# Altium PCB KK_Triangle_cubic.PcbDoc (continued)
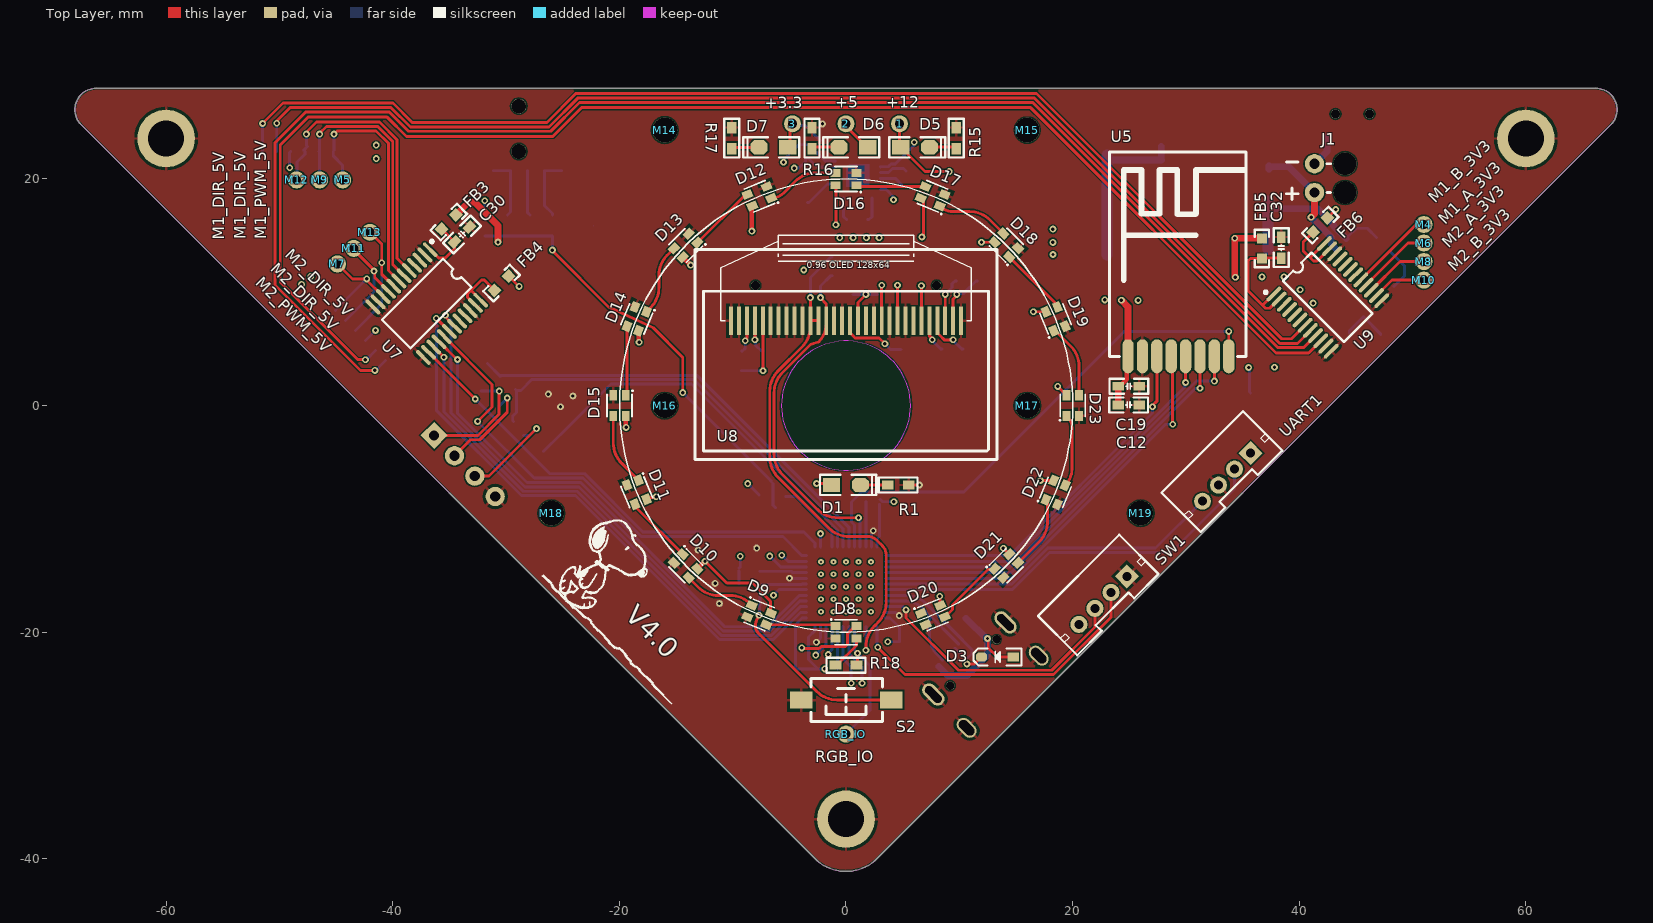
[diagram p0: Top Layer view]
## Footprints (in the part's own frame and the unit in brackets; to place one, negate y for a bottom-side part, rotate by r counter-clockwise, add the part's x,y. Pads: shape width x height; smd on the part's side, far side on the other; paste and mask are expansions set on the pad) (continued)
JST_COM [mm] "JST_COM"
  round 1.7 hole 0.9: 1(-0.381,17.932) 2(-0.381,20.472)
  round 2 hole 2: ""(2.311,17.932) ""(2.311,20.472)
  silkscreen extent -2.87,17.32 1.04,20.62
"L 0603" [mil] "小功率贴片电感        淘宝ID:黄晶宝石"
  rect 35x35 smd: 1(-35,0) 2(35,0)
  silkscreen extent -65,-25 65,25, body extent -31,-16 31,16, height 31
"LED 0805G" [mil] "绿色0805LED                              淘宝ID:黄晶宝石"
  rect 60x50 smd: 1(-50,0)
  oct 60x50 smd: 2(50,0)
  silkscreen extent -90,-35 105,35, body extent -39,-25 39,25, height 32
M3x40+6_L [mm] "M3铜柱，长：40mm，螺纹长：6mm"
  round 5.08 hole 3.175: 1(0,0)
  silkscreen extent -4,-4 4,4, body extent -2.7,-2.35 2.7,2.35, height 40.05
MSK-12C01-07 [mm] "6.7*2.8*1.5mm(长宽高）      淘宝ID:黄晶宝石"
  rect 1.4x0.8 smd: 0(-3.65,-1.25) 0(-3.65,1.25) 0(3.65,-1.25) 0(3.65,1.25)
  rect 0.6x1.5 smd: 1(-2.25,1.996) 2(0.75,1.996) 3(2.25,1.996)
  round 0.8 hole 0.8: ""(-1.5,0) ""(1.5,0)
  silkscreen extent -3.35,-2.92 3.35,1.4, body extent -3.92,-2.9 3.92,2.4, height 1.5
"MX 1.25-LS-8P" [mm] "长：14.75m，宽：3.7mm，高：4.7mm"
  rect 2.1x2.5 smd: 0(-7.132,-0.381) 0(7.104,-0.381)
  rect 0.8x1.3 smd: 1(-4.389,2.261) 2(-3.139,2.261) 3(-1.889,2.261) 4(-0.639,2.261) 5(0.611,2.261) 6(1.861,2.261) 7(3.111,2.261) 8(4.361,2.261)
  silkscreen extent -7.79,-1.78 7.77,2.99, body extent -7.58,-1.6 7.58,2.5, height 4.7
NRF24L01_MIN [mm] "NRF24L01_MIN"
  oval 1x3 smd: 1(0,0) 2(1.27,0) 3(2.54,0) 4(3.81,0) 5(5.08,0) 6(6.35,0) 7(7.62,0) 8(8.89,0)
  silkscreen extent -1.65,0 10.41,18.03
PH2.0-L-Z-4P [mm] "PH2.0 4P立式直插 间距2mm        淘宝ID:黄晶宝石"
  rect 1.5x1.5 hole 0.8: 1(0,0)
  round 1.5 hole 0.8: 2(2,0) 3(4,0) 4(6,0)
  silkscreen extent -2.13,-3.08 8.03,1.82, body extent -1.98,-3 7.92,1.7, height 6
"QFN24 4x4_M" [mm] "24脚，长x宽x高：4x4x1mm，脚距：0.5mm"
  rect 0.3x1 smd: 1(-1.25,-2)
  oval 0.3x1 smd: 2(-0.75,-2) 3(-0.25,-2) 4(0.25,-2) 5(0.75,-2) 6(1.25,-2) 13(1.25,2) 14(0.75,2) 15(0.25,2) 16(-0.25,2) 17(-0.75,2) 18(-1.25,2)
  oval 1x0.3 smd: 7(2,-1.25) 8(2,-0.75) 9(2,-0.25) 10(2,0.25) 11(2,0.75) 12(2,1.25) 19(-2,1.25) 20(-2,0.75) 21(-2,0.25) 22(-2,-0.25) 23(-2,-0.75) 24(-2,-1.25)
  rect 1x1 smd: 25(0,0)
  Top Layer region: -1,1 1,1 1,-1 -0.75,-1 -1,-0.75
  silkscreen extent -2.11,-2.6 2.11,2.11, body extent -2.01,-2.01 2.01,2.01, height 0.95
"R 0603_M" [mil] "1/10W贴片电阻                             淘宝ID:黄晶宝石"
  rect 40x31.5 smd: 1(-36.5,0) 2(36.5,0)
  silkscreen extent -68,-26 68,26, body extent -31,-16 31,16, height 16
SOD-323 [mm] "1.8x1.3X0.9mm（长宽高，不包括引脚）"
  rect 1x0.8 smd: A(-1.4,0)
  oct 1x0.8 smd: K(1.4,0)
  silkscreen extent -2.11,-0.76 2.11,0.76, body extent -1.34,-0.63 1.31,0.67, height 1
SOT223_M [mm] "SOT223, 4-Leads, Body 6.5x3.5mm, Pitch 2.3mm, Lead Span 7mm, IPC Low Density"
  rect 2.7x1 smd: 1(-2.95,2.3) 2(-2.95,0) 3(-2.95,-2.3)
  rect 2.7x3.3 smd: 4(2.95,0)
  silkscreen extent -3.07,-3.35 1.3,3.47, body extent -1.85,-3.35 1.85,3.35, height 1.7
STM-UFQFPN48_M [mm] "QFN, 48-Leads, Body 7.1x7.1mm, Pitch 0.5mm, Thermal Pad 5.6x5.6mm, IPC Low Density"
  oval 1x0.25 smd: 1(-3.5,2.75) 2(-3.5,2.25) 3(-3.5,1.75) 4(-3.5,1.25) 5(-3.5,0.75) 6(-3.5,0.25) 7(-3.5,-0.25) 8(-3.5,-0.75) 9(-3.5,-1.25) 10(-3.5,-1.75) 11(-3.5,-2.25) 12(-3.5,-2.75) 25(3.5,-2.75) 26(3.5,-2.25) 27(3.5,-1.75) 28(3.5,-1.25) 29(3.5,-0.75) 30(3.5,-0.25) 31(3.5,0.25) 32(3.5,0.75) 33(3.5,1.25) 34(3.5,1.75) 35(3.5,2.25) 36(3.5,2.75)
  oval 0.25x1 smd: 13(-2.75,-3.5) 14(-2.25,-3.5) 15(-1.75,-3.5) 16(-1.25,-3.5) 17(-0.75,-3.5) 18(-0.25,-3.5) 19(0.25,-3.5) 20(0.75,-3.5) 21(1.25,-3.5) 22(1.75,-3.5) 23(2.25,-3.5) 24(2.75,-3.5) 37(2.75,3.5) 38(2.25,3.5) 39(1.75,3.5) 40(1.25,3.5) 41(0.75,3.5) 42(0.25,3.5) 43(-0.25,3.5) 44(-0.75,3.5) 45(-1.25,3.5) 46(-1.75,3.5) 47(-2.25,3.5) 48(-2.75,3.5)
  rect 5.6x5.6 smd: 49(0,0)
  silkscreen extent -4.47,-3.7 3.7,3.7, body extent -3.55,-3.55 3.55,3.55, height 0.6
TEST_POINT#1 [mm] "TEST_POINT"
  round 1.5 hole 0.8: 1(0,0)
TEST_POINT#2 [mm] "TEST_POINT"
  round 1.5 hole 0.8: 1(0,0.178)
TEST_POINT#3 [mm] "TEST_POINT"
  round 1.5 hole 0.8: 1(0,0.356)
TEST_POINT#4 [mm] "TEST_POINT"
  round 1.5 hole 0.8: 1(-0.591,-0.127)
TM-1011A [mm] "TM-1011A"
  rect 1.3x0.8 smd: a1(-5.45,2.238) a2(5.45,2.238)
  rect 1x1.6 smd: b(3.75,-2.853) c(2.25,-2.853) d(0.75,-2.853) e(-0.75,-2.853) f(-2.25,-2.853) g(-3.75,-2.853) s1(-5.75,-1.597) s2(5.75,-1.597)
  round 1.3 hole 1.3 unplated: ""(0,-1.147) ""(0,2.853)
  silkscreen extent -5.9,-3 5.9,8.27
TPS5430DDAR [mm] "TPS5430DDAR"
  oval 0.6x1.798 smd: 1(0,0) 2(1.27,0) 3(2.54,0) 4(3.81,0) 5(3.81,5.944) 6(2.54,5.944) 7(1.27,5.944) 8(0,5.944)
  rect 3.45x2.56 smd: 9(1.905,2.972)
  silkscreen extent -1.25,0.26 4.4,4.71, body extent -0.6,-0.05 4.4,5.96, height 1.9
TSSOP24_M [mm] "7.8*6.4*1mm（长宽高） 封装库来自淘宝卖家 ID：黄晶宝石"
  oval 1.7x0.35 smd: 1(-3.15,3.575) 2(-3.15,2.925) 3(-3.15,2.275) 4(-3.15,1.625) 5(-3.15,0.975) 6(-3.15,0.325) 7(-3.15,-0.325) 8(-3.15,-0.975) 9(-3.15,-1.625) 10(-3.15,-2.275) 11(-3.15,-2.925) 12(-3.15,-3.575) 13(3.15,-3.575) 14(3.15,-2.925) 15(3.15,-2.275) 16(3.15,-1.625) 17(3.15,-0.975) 18(3.15,-0.325) 19(3.15,0.325) 20(3.15,0.975) 21(3.15,1.625) 22(3.15,2.275) 23(3.15,2.925) 24(3.15,3.575)
  silkscreen extent -3.69,-3.81 1.78,4.32, body extent -3.2,-3.9 3.2,3.9, height 1.03
"TSW SMD-3*6*2.5" [mm] "3*6*2.5mm"
  rect 2x1.5 smd: 1(-3.996,-0.02) 2(3.937,0)
  silkscreen extent -3.21,-1.9 3.09,1.9, body extent -4,-1.88 4,1.62, height 2.59
USB-C-SMD_TYPE-C-USB-5 [mm]
  oval 1.2x2 hole 0.8 slot 1.6 at 90 deg: 0(-4.5,-2.85) 0(4.5,-2.85)
  oval 1.2x2.3 hole 0.7 slot 1.8 at 90 deg: 0(-4.5,1.3) 0(4.5,1.3)
  rect 0.3x2.286 smd: A1(-3.322,2.85) A4(-2.522,2.85) A5(-1.222,2.85) A6(-0.222,2.85) A7(0.278,2.85) A8(-1.722,2.85) A9(2.578,2.85) A12(3.378,2.85) B1(3.078,2.85) B4(2.278,2.85) B5(1.778,2.85) B6(0.778,2.85) B7(-0.722,2.85) B8(1.278,2.85) B9(-2.222,2.85) B12(-3.022,2.85)
  round 0.75 hole 0.75 unplated: ""(-2.878,0.793) ""(2.902,0.793)
  silkscreen extent -4.38,-5.45 4.56,2.43, body extent -4.39,-5.49 4.55,2.41, height 3.25
WS2812B-2020 [mm] "WS2812B-2020"
  rect 0.9x0.7 smd: 1(-0.915,0.55) 2(-0.915,-0.55) 3(0.915,-0.55) 4(0.915,0.55)
  silkscreen extent -1.3,-1.1 1,1.15
XH2.54-LI-4P [mm] "接插件，4P  淘宝ID:黄晶宝石   店铺网址:https://shop463601444.taobao.com"
  rect 1.7x1.7 hole 0.9: 1(-3.81,0)
  round 1.7 hole 0.9: 2(-1.27,0) 3(1.27,0) 4(3.81,0)
  silkscreen extent -6.3,-3.45 6.07,2.49, body extent -6.31,-3.3 6.31,2.4, height 7.03

## Part data
1 2 3 M4 M5 M6 M7 M8 M9 M10 M11 M12 M13 RGB_IO: library part TEST_POINT
C2 C3 C4 C5 C6 C7 C8 C9 C10 C11 C12 C13 C14 C15 C16 C17 C19 C20 C21 C22 C23 C24 C25 C30 C31 C32 C33 C34 C35 C36 C37 C38: "Capacitor", Publisher="Altium Limited"
  C2 C3 C4 C5 C6 C7 C8 C10 C11 C12 C13 C14 C15 C16 C17 C19 C20 C21 C22 C23 C24 C25 C30 C31 C32 C33 C34 C35 C36 C37 C38: LatestRevisionDate=17-Jul-2002, LatestRevisionNote="Re-released for DXP Platform.", PackageDescription="Radial Cap, Thru-Hole; 2 Leads; 0.3 in Pin Spacing", PackageReference=RAD-0.3, Published=8-Jun-2000
  C9: PackageDescription="Capacitor; 2 Leads", PackageReference=CAPR5-4X5, Published=23-Sep-2002
D1 D5 D6 D7: "Typical RED GaAs LED", LatestRevisionDate=08-Jul-2005, LatestRevisionNote="Mech Layer 1 removed.", PackageDescription="LED; 2 Leads", PackageReference=LED-1, Published=8-Jun-2000, Publisher="Altium Limited"
D2 D3 D4: "1 Amp Fast Recovery Rectifier", Code_JEDEC=DO-204-AL, ComponentLink1Description="Manufacturer Link", ComponentLink1URL=http://www.fairchildsemi.com/, ComponentLink2Description=Datasheet, ComponentLink2URL=http://www.fairchildsemi.com/ds/1N%2F1N4934.pdf, DatasheetVersion=1999, LatestRevisionDate=17-Jul-2002, LatestRevisionNote="Re-released for DXP Platform.", PackageDescription="Diode, Axial; Body 5.2 x 2.7 mm (LxDia. max), Lead Dia. 0.86 mm (max)", PackageReference=DO-41, PackageVersion=Aug-1999, Published=8-Jun-2000, Publisher="Altium Limited"
D8 D9 D10 D11 D12 D13 D14 D15 D16 D17 D18 D19 D20 D21 D22 D23: library part WS2812B_2020
R1 R2 R3 R4 R5 R6 R7 R8 R9 R10 R11 R12 R13 R14 R15 R16 R17 R18 R19 R20 R21 R22 R23 R24 R25 R26 R27 R28: "Resistor", LatestRevisionDate=17-Jul-2002, LatestRevisionNote="Re-released for DXP Platform.", PackageDescription="Axial Device, Thru-Hole; 2 Leads; 0.4 in Pin Spacing", PackageReference=AXIAL-0.4, Published=8-Jun-2000, Publisher="Altium Limited"
S2: "Single-Pole, Single-Throw Switch", LatestRevisionDate=17-Jul-2002, LatestRevisionNote="Re-released for DXP Platform.", PackageDescription="Switch; 2 Leads", PackageReference=SPST-2, Published=24-Mar-1999, Publisher="Altium Limited"
L1: Code_IEC=1005, Code_JEITA=0402, LatestRevisionDate=29-May-2009, LatestRevisionNote="IPC-7351 Footprint Added.", PackageDescription="Chip Inductor", PackageReference=0402-A, Published=8-Jun-2000, Publisher="Altium Limited"

## Via types
v1: diameter 0.6, hole 0.3, Top Layer to Bottom Layer, 126 vias
v2: diameter 0.5, hole 0.2, Top Layer to Bottom Layer, 25 vias

## Nets (pads, with @x,y where several pads share a name; then routed paths per layer and width w, separated by ;. In a path a pad name is that pad's centre, name@x,y a point inside that pad or via, vN(x,y) a via of type N, cw(c..) or ccw(c..) an arc to the next point about the centre after c; other vN are vias at no path point)
+3.3: 3.1 C3.1 C5.1 C12.2 C13.2 C14.2 C15.2 C16.2 C17.1 C19.2 C24.1 C25.1 C33.2 C34.2 D7.1 FB1.1 FB2.2 FB4.2 FB6.2 R5.2 R10.2 R11.2 R19.2 R20.2 R23.1 R24.1 SW1.4 U1.8 U1.13 U2.1 U2.24 U2.36 U2.48 U5.1 U8.6 U8.9 U8.11 | length 58.5
  Top Layer w0.254: FB4.2 v1(-28.854,10.516) ; D7.1@-4.95,23.257 3.1@-4.95,24.908 ; v1@3.124,10.592 v1(3.15,10.617) 3.15,7.499 U8.11 ; v1(4.547,10.617) 4.547,10.643 4.555,10.651 U8.9 ; U8.6 v1(6.655,10.563) ; FB6.2 v1(43.231,17.297)
  Top Layer w0.4: C19.2@24.168,1.702 24.777,2.311 24.777,4.229 U5.1
  Top Layer w0.6: C12.2 24.028,0.064 24.028,1.621 24.109,1.702 C19.2@24.168,1.702 ; v1(24.308,9.298) 24.892,8.714 U5.1
  Bottom Layer w0.254: R19.2 v1(-31.877,18.065) ; FB1.1@-9.467,-14.588 -9.442,-14.613 R11.2@-9.442,-15.75 ; FB1.1@-9.435,-14.351 -9.329,-14.245 v1(-9.329,-13.31) ; v1(-8.666,-6.888) C17.1@-7.675,-7.879 ; 3.1 -4.561,24.703 -3.58,24.703 R5.2@-2.265,23.389 ; U2.1 -3.871,-18.75 -4.464,-19.343 C14.2 -2.608,-23.24 C15.2 v1(-1.88,-23.241) ; U2.48 -2.75,-19.871 -3.302,-20.423 -3.302,-22.418 -2.607,-23.113 C15.2 ; C5.1 2.039,16.408 2.293,16.662 U1.13 ; U2.24 2.75,-11.772 2.965,-11.557 C16.2@2.965,-8.711 ; C16.2@2.996,-8.278 3.213,-8.496 v1(4.23,-8.496) ; U1.8 3.052,21.069 3.725,21.069 3.958,21.302 4.33,21.302 C3.1@5.334,22.305 ; U2.36 3.871,-18.75 4.724,-19.603 C13.2 v1(3.678,-20.849) ; C3.1 6.02,22.986 v1(6.02,23.241) v1@5.966,23.241
  other v1: 25.781,9.279 22.835,9.322 -3.734,11.963 -0.559,14.808 0.622,14.808 1.803,14.808 2.921,14.808
+5: 2.1 C9.1 C10.1 C20.2 C21.2 D3.K D6.1 D8.4 D9.4 D10.4 D11.4 D12.4 D13.4 D14.4 D15.4 D16.4 D17.4 D18.4 D19.4 D20.4 D21.4 D22.4 D23.4 FB3.2 FB5.2 L1.2 MOTOR1.3 MOTOR2.3 R13.2 U4.3 UART1.1 | length 59.3
  Top Layer w0.254: D11.4 -17.455,-8.128 -16.933,-8.128 -16.858,-8.052 v1(-16.764,-8.052) ; v1(-12.447,-13.741) -10.517,-15.672 -8.262,-15.672 -6.653,-17.28 -6.653,-18.295 D9.4 ; v1(-3.912,-21.387) -3.85,-21.449 -2.368,-21.449 -2.177,-21.258 -0.061,-21.258 0.144,-21.053 0.144,-20.137 0.815,-19.465 D8.4 ; D16.4 -0.813,19.338 -0.889,19.261 v1(-0.889,15.951) -0.889,18.404 ; 2.1 0.238,24.628 0.238,24.412 1.308,23.343 D6.1@1.308,22.809 ; D17.4 6.833,18.065 6.833,15.004 v1(6.7,14.871) ; v1(8.28,-16.84) 8.28,-17.608 D20.4 ; v1(10.668,-22.809) 11.349,-22.809 11.96,-22.198 D3.K@12.014,-22.2 ; D3.K@11.76,-22.193 D3.K ; v1(11.959,14.406) D18.4 ; v1(13.892,-12.598) D21.4 ; v1(16.535,8.28) D19.4 ; v1(17.159,-6.615) D22.4 ; v1(18.694,1.686) D23.4
  Top Layer w0.4: D15.4 -19.423,-0.932 -19.423,-1.913 v1(-19.406,-1.93) ; D14.4 -18.301,6.583 -18.301,5.626 v1(-18.263,5.588) ; D11.4@-17.624,-8.264 D11.4 ; D13.4 v1(-13.716,12.395) ; D10.4 v1(-12.447,-13.741) ; v1(-8.306,15.392) -8.312,15.399 -8.312,17.576 D12.4
  Top Layer w0.6: FB3.2 -33.293,17.959 -32.796,17.959 -30.712,15.875 v1(-30.712,14.421) ; v1(34.366,11.328) 34.315,11.379 v1(34.315,14.757) FB5.2
  Bottom Layer w0.254: v1@-49.098,20.853 v1(-49.098,20.98) -49.098,22.336 MOTOR1.3 ; MOTOR2.3 v1(-41.521,6.633) ; v1(35.535,3.353) 35.535,3.259 35.602,3.192 35.602,1.203 C10.1
  other v1: 37.821,3.378 41.224,9.042 40.081,10.211 36.71,11.354 38.659,11.354 18.269,13.326 18.261,14.402 18.261,15.57
+12: 1.1 C7.2 D2.K D5.1 J1.1 MOTOR1.8 MOTOR2.8 U3.7 | length 18.7
  Top Layer w0.254: 1.1 4.724,22.911 6.985,20.65 v1(9.115,20.65)
  Top Layer w0.6: v1(41.046,16.612) 41.351,16.916 J1.1
  Top Layer w1: 1.1 1.1@4.775,24.816
  Bottom Layer w0.6: D2.K 37.338,20.853 37.567,21.082 39.065,21.082 J1.1 ; v1(41.046,16.612) C7.2 42.831,14.827 42.831,14.252 U3.7
  other v1: -48.05,10.693 -47.244,11.379 -41.453,21.793 -41.453,22.987
ADC_S1: R8.1 R9.2 U2.17 | length 35.3
  Bottom Layer w0.254: R8.1 R9.2 -25.18,-2.547 -20.729,1.905 -13.644,1.905 -0.75,-10.989 U2.17
ADC_S2: R6.1 R7.2 U2.18 | length 39.3
  Bottom Layer w0.254: R6.1 -29.413,-1.321 -29.413,-0.935 -29.081,-0.602 R7.2@-29.081,1.328 ; R7.2 R7.2@-29.081,1.328 ; U2.18 -0.25,-10.907 -13.443,2.286 -27.737,2.286 -28.695,1.328 R7.2@-29.081,1.328
ADC_S3: R2.1 R3.2 U2.19 | length 39.7
  Bottom Layer w0.254: R3.2 R2.1 -30.438,2.665 -13.161,2.665 -13.081,2.585 0.25,-10.746 U2.19
DEBUG_RX: U2.30 UART1.4 | length 31
  Bottom Layer w0.254: U2.30 14.635,-15.75 17.804,-12.581 27.322,-12.581 UART1.4
DEBUG_TX: U2.31 UART1.2 | length 36.2
  Bottom Layer w0.254: U2.31 14.671,-16.25 17.961,-12.96 28.696,-12.96 34.29,-7.366 UART1.2
GND: BAT1.4 C1.0 C1.A1 C1.A12 C1.B1 C1.B12 C2.2 C3.2 C4.1 C5.2 C7.1 C8.1 C9.2 C10.2 C11.2 C12.1 C13.1 C14.1 C15.1 C16.1 C19.1 C20.1 C21.1 C22.2 C23.2 C24.2 C25.2 C30.1 C31.1 C32.1 C33.1 C34.1 C35.2 C38.2 D2.A D4.A D8.2 D9.2 D10.2 D11.2 D12.2 D13.2 D14.2 D15.2 D16.2 D17.2 D18.2 D19.2 D20.2 D21.2 D22.2 D23.2 K1.0 K1.2 K1.3 M1.1 M2.1 M3.1 MOTOR1.7 MOTOR2.7 R1.1 R3.1 R4.2 R7.1 R9.1 R12.1 R14.1 R15.1 R16.1 R17.1 R21.2 R22.1 S1.a1 S1.a2 S1.b S1.s1 S1.s2 S2.2 SW1.1 U1.1 U1.11 U1.18 U2.8 U2.23 U2.35 U2.47 U3.6 U3.9 U4.1 U5.2 U7.2 U7.11 U7.12 U7.13 U7.22 U8.1 U8.8 U8.10 U8.12 U8.16 U8.17 U8.21 U8.22 U8.23 U8.24 U8.25 U8.29 U8.30 U9.11 U9.12 U9.13 U9.22 UART1.3 | length 9.7
  Top Layer w0.254: C30.1 C30.1@-33.144,15.845 ; R1.1 v1(6.477,-7.01) ; D20.2 D20.2@7.166,-19.219 ; D22.2@18.567,-8.645 D22.2
  Top Layer w0.4: D11.2@-19.497,-7.011 D11.2 ; D8.2 D8.2@-0.885,-20.595 ; U5.2@26.047,4.229 U5.2
  Bottom Layer w0.254: v1(-4.988,-15.25) U2.8 ; v1(-2.616,-20.897) -2.25,-20.531 U2.47 U2.47@-2.252,-19.502 ; U1.18 -0.207,16.662 0.047,16.408 C5.2 ; U2.23 2.25,-11.306 2.413,-11.143 v1(2.413,-11.049) ; U2.35 3.502,-18.252 4.409,-18.252 v1(4.699,-18.542)
  other v1: -11.176,-17.475 -11.557,-15.697 -13.056,-12.751 -7.88,-12.585 -25.197,-0.102 -24.105,0.838 -26.264,1.012 -2.07,24.854
KEY_ADC: R28.1 U2.16 | length 6.7
  Bottom Layer w0.254: R28.1 -4.424,-8.022 -1.25,-11.196 U2.16
M1_A_3V3: M4.1 U2.10 U9.17 | length 82.1
  Top Layer w0.254: U9.17 50.325,15.977 M4.1
  POWER w0.254: v1(-6.731,-13.284) -6.731,-11.608 -4.098,-8.975 2.96,-8.975 3.033,-9.048 9.367,-9.048 34.392,15.977 M4.1
  Bottom Layer w0.254: v1(-6.731,-13.284) -5.765,-14.25 U2.10
M1_A_5V: MOTOR1.1 U9.7 | length 106.4
  Top Layer w0.254: v1(-51.486,24.892) -49.682,26.695 -47.6,26.695 -39.98,26.695 -38.278,24.994 -26.391,24.994 -23.851,27.534 16.815,27.534 38.456,5.893 39.322,5.893 U9.7
  Bottom Layer w0.254: MOTOR1.1 -51.486,22.448 v1(-51.486,24.892)
M1_B_3V3: M6.1 U2.11 U9.16 | length 78.4
  Top Layer w0.254: U9.16 49.61,14.343 M6.1
  POWER w0.254: v1(-5.664,-13.208) -5.664,-11.125 -3.893,-9.354 2.803,-9.354 2.876,-9.427 9.572,-9.427 33.205,14.205 50.866,14.205 M6.1
  Bottom Layer w0.254: v1(-5.664,-13.208) -5.122,-13.75 U2.11
M1_B_5V: MOTOR1.2 U9.8 | length 105.6
  Top Layer w0.254: v1(-50.241,24.917) -50.241,25.121 -49.073,26.289 -47.6,26.289 -40.148,26.289 -38.446,24.587 -26.222,24.587 -23.682,27.127 16.646,27.127 38.287,5.486 39.834,5.486 U9.8
  Bottom Layer w0.254: MOTOR1.2 -50.241,22.443 v1(-50.241,24.917)
M1_DIR_3V3: U2.2 U7.18 | length 51.8
  Top Layer w0.254: v1(-36.156,7.696) U7.18
  Bottom Layer w0.254: v1(-36.156,7.696) -36.156,-0.42 -28.626,-7.95 -24.435,-7.95 -23.874,-7.95 -11.165,-20.659 -6.414,-20.659 -4.007,-18.252 -3.502,-18.252 U2.2
M1_DIR_5V: M9.1 MOTOR1.5 U7.6 | length 23.7
  Top Layer w0.254: v1@-46.457,24.028 -45.845,24.64 -41.33,24.64 -39.997,23.307 -39.997,12.457 U7.6
  Bottom Layer w0.254: M9.1 -46.457,22.379 MOTOR1.5 -46.457,22.477 v1@-46.457,24.028
  other v1: -46.457,23.952
M1_PWM_3V3: U2.12 U7.17 | length 43.7
  Top Layer w0.254: U7.17 -31.246,1.867 -31.246,-0.131 v1(-32.512,-1.397)
  Bottom Layer w0.254: v1(-32.512,-1.397) -27.508,-6.401 -23.221,-6.401 -18.065,-11.557 -5.564,-11.557 -3.871,-13.25 U2.12
M1_PWM_5V: M5.1 MOTOR1.6 U7.7 | length 22.3
  Top Layer w0.254: v1(-45.187,23.952) -44.898,24.24 -41.467,24.24 -40.376,23.15 -40.376,11.917 U7.7
  Bottom Layer w0.254: v1(-45.187,23.952) -45.187,22.497 MOTOR1.6 -45.256,22.04 -44.425,21.209 M5.1
M1_STOP_3V3: U2.4 U7.19 | length 50.6
  Top Layer w0.254: v1(-35.357,7.976) -35.357,7.816 U7.19
  Bottom Layer w0.254: v1(-35.357,7.976) -34.87,7.489 -34.87,-0.634 -28.322,-7.182 -23.571,-7.182 -10.851,-19.901 -6.728,-19.901 -4.079,-17.252 -3.502,-17.252 U2.4
M1_STOP_5V: M12.1 MOTOR1.4 U7.5 | length 25.8
  Top Layer w0.254: v1@-47.625,24.13 -46.736,25.019 -41.173,25.019 -39.618,23.464 -39.618,12.997 U7.5
  Bottom Layer w0.254: M12.1 -48.454,19.948 -48.454,21.48 -47.756,22.178 MOTOR1.4 -47.854,22.526 -47.523,22.856 -47.625,22.958 v1(-47.625,23.952) v1@-47.625,24.13
M2_A_3V3: M8.1 U2.42 U9.15 | length 76.8
  Top Layer w0.254: U9.15 48.895,12.708 M8.1
  POWER w0.254: v1(1.422,-24.511) 8.832,-17.101 8.832,-16.064 21.061,-3.835 32.08,-3.835 48.624,12.708 M8.1
  Bottom Layer w0.254: U2.42 0.25,-21.884 1.422,-23.056 v1(1.422,-24.511)
M2_A_5V: MOTOR2.1 U9.9 | length 129.9
  Top Layer w0.254: v1(-41.58,3.099) -42.85,3.099 -43.472,3.721 -50.394,10.643 -50.394,23.19 -47.676,25.908 -40.306,25.908 -38.604,24.206 -26.064,24.206 -23.524,26.746 16.489,26.746 38.129,5.105 40.373,5.105 U9.9
  Bottom Layer w0.254: v1(-41.58,3.099) -41.52,3.099 MOTOR2.1
M2_B_3V3: M10.1 U2.43 U9.14 | length 76.4
  Top Layer w0.254: U9.14 48.18,11.074 M10.1
  POWER w0.254: v1@0.457,-24.684 v1@0.552,-24.684 ; v1(0.457,-24.511) 0.544,-24.597 1.009,-25.063 1.651,-25.063 9.399,-17.315 9.399,-16.034 21.218,-4.214 32.237,-4.214 47.526,11.074 M10.1
  Bottom Layer w0.254: U2.43 -0.25,-22.356 0.457,-23.063 v1@0.457,-24.257
M2_B_5V: MOTOR2.2 U9.10 | length 127.7
  Top Layer w0.254: v1(-42.418,4.039) -42.512,4.039 -42.532,4.059 -43.099,4.059 -49.936,10.897 -49.936,11.379 -49.936,23.001 -47.486,25.451 -40.495,25.451 -38.793,23.749 -25.875,23.749 -23.335,26.289 16.299,26.289 37.94,4.648 40.835,4.648 U9.10
  Bottom Layer w0.254: v1(-42.418,4.039) -42.348,4.039 MOTOR2.2
M2_DIR_3V3: U2.3 U7.15 | length 47.3
  Top Layer w0.254: U7.15 v1(-35.484,4.266)
  Bottom Layer w0.254: v1(-35.484,4.266) -35.484,-0.556 -28.479,-7.561 -23.728,-7.561 -11.008,-20.28 -6.571,-20.28 -4.043,-17.752 -3.502,-17.752 U2.3
M2_DIR_5V: M11.1 MOTOR2.5 U7.9 | length 10.4
  Top Layer w0.254: M11.1 -43.447,13.746 -41.59,11.889 -41.59,11.292 U7.9
  Bottom Layer w0.254: MOTOR2.5 -41.656,10.034 v1(-41.656,11.862)
M2_PWM_3V3: U2.13 U7.14 | length 41.4
  Top Layer w0.254: U7.14 v1(-32.715,0.579)
  Bottom Layer w0.254: v1(-32.715,0.579) -26.117,-6.02 -23.063,-6.02 -17.907,-11.176 -3.703,-11.176 -2.75,-12.129 U2.13
M2_PWM_5V: M7.1 MOTOR2.6 U7.10 | length 9.2
  Top Layer w0.254: M7.1 -43.561,11.176 -42.393,11.176 U7.10
  Bottom Layer w0.254: MOTOR2.6 -45.057,8.436 -42.316,11.176 v1(-42.291,11.176)
M2_STOP_3V3: U2.5 U7.16 | length 46.8
  Top Layer w0.254: U7.16 -35.896,5.624 -34.336,4.064 v1(-34.29,4.064)
  Bottom Layer w0.254: v1(-34.29,4.064) -34.29,-0.678 -28.165,-6.803 -23.414,-6.803 -10.694,-19.522 -6.885,-19.522 -4.113,-16.75 U2.5
M2_STOP_5V: M13.1 MOTOR2.4 U7.8 | length 12.5
  Top Layer w0.254: M13.1 -40.97,14.249 v1(-40.97,12.598) -40.97,11.591 U7.8
  Bottom Layer w0.254: MOTOR2.4 -40.97,8.952 v1(-40.97,12.598)
MCU_STAT: D1.1 U2.6 | length 16.9
  Top Layer w0.254: v1(-2.591,-6.883) -1.956,-6.883 -1.676,-6.604 D1.1
  POWER w0.254: v1(-6.401,-16.739) -7.283,-15.856 -7.283,-11.576 v1(-2.591,-6.883)
  Bottom Layer w0.254: v1(-6.401,-16.739) -5.912,-16.25 U2.6
MPU6050_INT: U1.12 U2.14 | length 52.1
  GND w0.254: v1(-2.25,-11.303) -9.494,-11.303 -9.908,-10.889 -9.908,15.177 -7.171,17.914 -0.686,17.914 -0.439,18.161 v1(4.191,18.161)
  Bottom Layer w0.254: U2.14 v1(-2.25,-11.303) ; U1.12 3.545,19.061 4.191,18.415 v1(4.191,18.161)
MPU6050_SCL: R5.1 U1.23 U2.45 | length 56.1
  GND w0.254: v1(-4.572,20.955) -4.666,20.955 -10.287,15.334 -10.287,-11.046 -9.651,-11.682 -9.53,-11.682 -8.492,-12.719 -8.492,-12.772 -1.575,-19.689 v1(-1.575,-21.971)
  Bottom Layer w0.254: v1(-4.572,20.955) -4.167,20.955 -3.577,21.545 -3.577,21.849 -3.348,21.849 -2.56,21.061 -0.974,21.061 -0.965,21.052 U1.23 ; v1(-1.575,-21.971) -1.575,-21.877 -1.25,-21.553 U2.45
MPU6050_SDA: R10.1 U1.24 U2.46 | length 57.8
  GND w0.254: v1(-5.512,21.463) -5.512,20.65 -10.666,15.496 -10.666,-11.203 -9.316,-12.553 -9.195,-12.553 -8.871,-12.876 -8.871,-12.929 -3.36,-18.44 -3.36,-21.329 v1(-2.667,-22.022)
  Bottom Layer w0.254: v1(-5.512,21.463) -5.512,21.666 -4.166,23.012 -3.274,23.012 -1.831,21.569 -0.965,21.569 U1.24 ; v1(-2.667,-22.022) -2.667,-21.996 -1.75,-21.079 U2.46
NetBAT1_1: BAT1.1 R2.2 | length 10.4
  Top Layer w0.254: BAT1.1 -32.479,-2.64 -30.611,-0.772 v1(-30.611,1.274)
  Bottom Layer w0.254: BAT1.1 BAT1.1@-36.129,-2.64 ; R2.2@-32.215,1.274 R2.2 v1(-30.611,1.274) v1@-30.582,1.304
NetBAT1_2: BAT1.2 R6.2 | length 9
  Top Layer w0.254: BAT1.2 -33.136,-3.019 -32.322,-3.019 -29.896,-0.593 v1(-29.896,0.666)
  Bottom Layer w0.254: R6.2@-30.648,-0.531 R6.2 v1(-29.896,0.666)
NetBAT1_3: BAT1.3 R8.2 | length 8.7
  Top Layer w0.254: BAT1.3 -31.514,-6.232 v1(-27.314,-2.032)
  Bottom Layer w0.254: R8.2@-28.47,-2.65 -28.084,-2.65 R8.2 v1(-27.314,-2.032)
NetC2_1: C2.1 U1.20 | length 3.1
  Bottom Layer w0.254: C2.1 -3.264,17.907 -1.619,19.552 -0.965,19.552 U1.20
NetC6_1: C6.1 D4.K L1.1 U3.8 | length 15.9
  Bottom Layer w0.254: U3.8@44.3,14.912 45.034,15.646 45.999,15.646 C6.1
  Bottom Layer w0.6: D4.K 37.313,17.703 37.642,17.374 41.604,17.374 43.014,15.963 43.014,15.864 U3.8
  Bottom Layer w1: L1.1 37.238,17.374 37.238,17.946 D4.K
NetC6_2: C6.2 U3.1 | length 3.9
  Bottom Layer w0.254: C6.2 49.276,12.37 49.276,11.444 U3.1
NetC8_2: C8.2 U1.10 | length 2.3
  Bottom Layer w0.254: U1.10 3.052,20.052 4.348,20.052 C8.2@5.029,19.37
NetC11_1: C11.1 U2.22 | length 4
  Bottom Layer w0.254: U2.22 1.75,-12.129 C11.1
NetC17_2: C17.2 R19.1 R25.1 R26.1 R27.1 R28.2 | length 39
  Top Layer w0.254: v1(-25.908,13.716) -25.908,13.654 -20.955,8.701 -17.018,6.858 -14.406,4.246 v1(-14.406,1.143)
  Bottom Layer w0.254: R19.1 R27.1 R26.1 R25.1 -25.908,14.971 v1(-25.908,13.716) ; v1(-14.406,1.143) -6.625,-6.638 R28.2 -6.452,-6.883 -6.452,-8.804 C17.2@-6.231,-9.025
NetC22_1: C22.1 C23.1 FB2.1 U4.2 U4.4 | length 15
  Bottom Layer w0.6: U4.4 23.448,21.666 27.851,21.666 27.826,21.692 C23.1@27.826,22.885
  Bottom Layer w1: FB2.1@23.029,13.317 23.038,13.326 U4.2 U4.4
NetC30_2: C30.2 FB3.1 U7.1 | length 5
  Top Layer w0.254: U7.1 -36.673,13.755 -35.923,13.005 -35.382,13.005 -34.545,13.842 C30.2 -34.562,14.444 FB3.1
NetC32_2: C32.2 FB5.1 U9.1 U9.2 | length 10.8
  Top Layer w0.254: 36.766,8.853 U9.1 ; U9.2 38.198,9.391 37.392,8.585 37.033,8.585 35.484,10.135 35.484,12.776 35.687,12.979 FB5.1 36.741,13.018 C32.2
NetC35_1: C35.1 U8.27 | length 3.1
  Top Layer w0.254: v1(-8.044,5.799) U8.27
  Bottom Layer w0.254: v1(-8.044,5.799) -7.977,5.733 -7.977,5.323 -7.455,4.801 C35.1
NetC36_1: C36.1 U8.2 | length 4.8
  Top Layer w0.254: U8.2 9.455,9.387 9.779,9.711 v1(9.779,9.804)
  Bottom Layer w0.254: v1(9.779,9.804) 9.845,9.871 10.341,9.871 11.468,10.998 C36.1
NetC36_2: C36.2 U8.3 | length 4
  Top Layer w0.254: U8.3 v1(8.755,9.804)
  Bottom Layer w0.254: v1(8.755,9.804) 9.36,10.409 9.36,10.744 9.614,10.998 C36.2
NetC37_1: C37.1 U8.4 | length 4
  Top Layer w0.254: U8.4 8.055,6.419 8.296,6.178 8.296,6.171 8.668,5.799 v1(9.455,5.799)
  Bottom Layer w0.254: v1(9.455,5.799) 9.455,5.747 10.198,5.004 C37.1
NetC37_2: C37.2 U8.5 | length 3
  Top Layer w0.254: U8.5 7.355,6.157 7.62,5.892 v1(7.62,5.799)
  Bottom Layer w0.254: v1(7.62,5.799) 7.62,5.728 8.344,5.004 C37.2
NetC38_1: C38.1 U8.28 | length 2.9
  Top Layer w0.254: v1(-8.89,5.714) -8.89,5.808 -8.744,5.954 U8.28
  Bottom Layer w0.254: C38.1 -9.144,4.801 -8.89,5.055 v1(-8.89,5.714)
NetD1_2: D1.2 R1.2 | length 2.4
  Top Layer w0.254: D1.2 R1.2
NetD5_2: D5.2 R15.2 | length 2.7
  Top Layer w0.254: D5.2@7.366,22.809 9.601,22.809 R15.2 ; R15.2@9.535,22.847 R15.2@9.725,23.038
NetD6_2: D6.2 R16.2 | length 1.8
  Top Layer w0.254: R16.2@-2.997,23 -2.807,22.809 D6.2@-1.232,22.809
NetD7_2: D7.2 R17.2 | length 2.5
  Top Layer w0.254: R17.2 -9.982,22.784 D7.2
NetD8_1: D8.1 D9.3 | length 6.2
  Top Layer w0.254: D9.3 -1.194,-19.349 cw(c-1.194,-19.745) D8.1
NetD9_1: D9.1 D10.3 | length 6.4
  Top Layer w0.254: D10.3 -13.053,-16.02 ccw(c-11.257,-14.224) -11.257,-16.764 -10.227,-16.764 cw(c-10.227,-19.304) -8.431,-17.508 D9.1
NetD10_1: D10.1 D11.3 | length 6.1
  Top Layer w0.254: D11.3 ccw(c-18.158,-8.701) -18.487,-9.03 D10.1
NetD11_1: D11.1 D15.3 | length 6.5
  Top Layer w0.254: D15.3 -20.54,-3.305 ccw(c-18,-3.305) -19.796,-5.102 D11.1
NetD12_1: D12.1 D16.3 | length 6.4
  Top Layer w0.254: D12.1 ccw(c-6.59,19.854) -5.496,18.761 -4.445,19.812 cw(c-2.688,18.055) -2.688,20.54 D16.3
NetD12_3: D12.3 D13.1 | length 6.2
  Top Layer w0.254: D13.1 -8.987,18.505 cw(c-8.701,18.22) D12.3
NetD13_3: D13.3 D14.1 | length 6.4
  Top Layer w0.254: D14.1 -17.254,8.634 ccw(c-19.05,10.43) -16.51,10.43 -16.51,11.486 cw(c-13.97,11.486) -15.766,13.282 D13.3
NetD14_3: D14.3 D15.1 | length 6.1
  Top Layer w0.254: D15.1 ccw(c-19.719,1.194) -19.324,1.194 D14.3
NetD16_1: D16.1 D17.3 | length 6.1
  Top Layer w0.254: D16.1 ccw(c1.194,19.719) 1.194,19.324 D17.3
NetD17_1: D17.1 D18.3 | length 6.4
  Top Layer w0.254: D17.1 ccw(c9.458,18.785) 9.458,17.12 10.902,17.12 cw(c10.902,14.58) 12.698,16.376 D18.3
NetD18_1: D18.1 D19.3 | length 6.2
  Top Layer w0.254: D18.1 18.531,8.987 cw(c18.245,8.701) D19.3
NetD19_1: D19.1 D23.3 | length 6.6
  Top Layer w0.254: D19.1 cw(c18.333,6.235) 18.584,6.486 19.821,5.248 cw(c18.025,3.452) 20.565,3.452 D23.3
NetD20_3: D20.3 D21.1 | length 6.4
  Top Layer w0.254: D20.3 ccw(c8.727,-18.306) 8.969,-18.549 8.969,-18.438 9.4,-18.007 9.4,-17.602 12.526,-14.477 13.041,-14.477 D21.1
NetD21_3: D21.3 D22.1 | length 6.6
  Top Layer w0.254: D21.3 17.036,-12.037 ccw(c15.24,-10.241) 17.78,-10.241 17.78,-8.661 ccw(c17.278,-8.661) D22.1
NetD22_3: D22.3 D23.1 | length 6.4
  Top Layer w0.254: D22.3 ccw(c17.926,-5.613) 19.939,-5.613 19.939,-1.905 ccw(c18.693,-1.905) 19.574,-1.024 D23.1
NetFB1_2: FB1.2 U2.9 | length 4.2
  Bottom Layer w0.254: FB1.2@-7.6,-14.622 -5.929,-14.622 -5.922,-14.629 -4.829,-14.629 -4.708,-14.75 U2.9
NetFB4_1: FB4.1 U7.23 U7.24 | length 5.7
  Top Layer w0.254: -33.074,10.156 -32.245,9.326 U7.24 ; U7.23 -32.704,8.867 -33.397,9.56 -33.397,9.833 -32.156,11.074 -31.928,11.074 FB4.1
NetFB6_1: FB6.1 U9.23 U9.24 | length 6.8
  Top Layer w0.254: 41.046,13.133 U9.24 ; FB6.1 40.361,14.427 40.361,13.64 41.25,12.751 41.583,12.751 U9.23
NetJ1_2: J1.2 K1.1 | length 2.9
  Bottom Layer w0.6: J1.2 42.454,22.439 K1.1
NetR4_1: R4.1 U2.44 | length 3.7
  Bottom Layer w0.254: R4.1 U2.44
NetR12_2: R12.2 U1.9 | length 2.5
  Bottom Layer w0.254: U1.9 3.052,20.569 3.761,20.569 4.115,20.923 5.061,20.923 R12.2@5.296,20.688
NetR13_1: R13.1 R14.2 U3.4 | length 4.2
  Bottom Layer w0.254: R13.1 44.42,6.587 U3.4 47.198,6.293 R14.2
NetR21_1: R21.1 U8.26 | length 6.3
  Top Layer w0.254: U8.26 -7.328,7.477 v1(-7.328,3.073)
  Bottom Layer w0.254: R21.1 v1(-7.328,3.073)
NetR22_2: R22.2 U8.15 | length 6.2
  Top Layer w0.254: U8.15 0.356,6.419 0.596,6.178 0.596,6.171 0.797,5.97 2.92,5.97 v1(3.429,5.461)
  Bottom Layer w0.254: v1(3.429,5.461) 3.937,4.953 R22.2
NetR25_2: R25.2 S1.f S1.g | length 5.7
  Bottom Layer w0.254: R25.2 -25.906,16.936 -26.624,17.654 S1.f S1.g
NetR26_2: R26.2 S1.e | length 4
  Bottom Layer w0.254: S1.e -28.124,17.055 R26.2
NetR27_2: R27.2 S1.c S1.d | length 5.5
  Bottom Layer w0.254: S1.c S1.d -29.624,17.09 R27.2
NRF_CE: U2.25 U5.3 | length 33.9
  Top Layer w0.254: v1(27.051,-0.102) 27.051,-0.008 27.432,0.373 U5.3
  Bottom Layer w0.254: U2.25 14.455,-13.25 27.051,-0.654 v1(27.051,-0.102)
NRF_IRQ: U2.20 U5.8 | length 45.8
  Top Layer w0.254: U5.8 v1(33.782,6.543)
  Bottom Layer w0.254: U2.20 0.75,-10.538 0.491,-10.28 0.491,-8.51 1.381,-7.62 10.398,-7.62 24.561,6.543 v1(33.782,6.543)
NRF_MISO: U2.27 U5.7 | length 38
  Top Layer w0.254: v1(32.512,2.159) U5.7
  Bottom Layer w0.254: U2.27 14.527,-14.25 30.936,2.159 v1(32.512,2.159)
NRF_MOSI: U2.28 U5.6 | length 37.3
  Top Layer w0.254: v1(31.242,1.524) U5.6
  Bottom Layer w0.254: U2.28 14.563,-14.75 30.837,1.524 v1(31.242,1.524)
NRF_NSS: U2.29 U5.4 | length 37
  Top Layer w0.254: U5.4 28.829,4.216 v1(28.829,-1.651)
  Bottom Layer w0.254: U2.29 14.599,-15.25 28.198,-1.651 v1(28.829,-1.651)
NRF_SCLK: U2.26 U5.5 | length 35.5
  Top Layer w0.254: v1(29.972,2.032) U5.5
  Bottom Layer w0.254: U2.26 14.491,-13.75 29.906,1.665 29.906,1.966 v1(29.972,2.032)
NRST: C4.2 R11.1 S2.1 U2.7 | length 22.3
  Top Layer w0.254: v1@-7.62,-18.415 -7.62,-18.542 ccw(c-6.716,-19.446) -7.994,-19.446 -7.994,-19.472 ccw(c-7.156,-19.472) -7.749,-20.064 -2.577,-25.236 ccw(c-0.781,-23.44) -0.781,-25.98 S2.1
  Bottom Layer w0.254: v1(-7.666,-18.517) -7.643,-18.494 -7.643,-17.628 -7.567,-17.551 ccw(c-7.567,-17.627) C4.2@-7.62,-17.573 ; C4.2@-7.589,-17.261 -7.589,-16.073 R11.1@-7.478,-15.963 ; R11.1@-7.433,-15.802 -3.923,-15.802 -3.871,-15.75 U2.7
OLED_SCL: R23.2 U2.21 U8.18 | length 31.2
  Top Layer w0.254: v1(-2.25,9.525) -2.25,9.477 -1.744,8.971 U8.18 -1.744,7.238 cw(c-4.028,7.238) -2.413,5.624 -3.13,5.379 -5.606,2.903 ccw(c-3.81,1.107) -6.35,1.107 -6.35,-4.282 ccw(c-3.81,-4.282) -5.606,-6.078 -2.522,-9.162 ccw(c-0.726,-7.366) -0.726,-9.906 v1(1.1,-9.906)
  Bottom Layer w0.254: v1(-2.25,9.525) -2.25,10.543 -1.34,11.453 R23.2 ; v1(1.1,-9.906) 1.1,-10 1.25,-10.15 U2.21
OLED_SDA: R24.2 U2.39 U8.19 U8.20 | length 45.9
  Top Layer w0.254: v1(-3.144,9.525) U8.20 ; U8.19 U8.20 ; v1(1.755,-21.59) 1.755,-21.268 cw(c4.295,-21.268) 2.499,-19.472 2.812,-19.159 ccw(c1.016,-17.363) 3.556,-17.363 3.556,-13.208 ccw(c2.377,-13.208) 3.211,-12.374 2.739,-11.902 ccw(c1.905,-12.736) 1.905,-11.557 0.277,-11.557 cw(c0.277,-9.017) -1.519,-10.813 -5.987,-6.345 cw(c-4.191,-4.549) -6.731,-4.549 -6.731,1.271 cw(c-4.191,1.271) -5.987,3.067 -3.888,5.166 ccw(c-5.684,6.962) -3.144,6.962 U8.20
  Bottom Layer w0.254: v1(-3.144,9.525) -3.144,11.297 -1.34,13.101 R24.2 ; U2.39 1.752,-19.502 1.752,-21.587 v1(1.755,-21.59)
RES: C31.2 R20.1 U8.14 | length 4.8
  Top Layer w0.254: U8.14 1.056,9.104 v1(1.755,9.804)
  Bottom Layer w0.254: R20.1 v1(1.755,9.804) C31.2
RGB_3V3: R18.2 RGB_IO.1 U2.41 | length 12.1
  Top Layer w0.254: R18.2 0.838,-22.822 1.016,-22.644 v1(1.016,-21.869)
  Bottom Layer w0.254: RGB_IO.1 2.134,-26.866 2.134,-22.987 v1(1.016,-21.869) 0.75,-21.603 U2.41
RGB_DIN: D8.3 R18.1 | length 3.1
  Top Layer w0.254: R18.1 -0.819,-22.911 0.927,-21.165 D8.3@0.927,-20.594
SWCLK: SW1.2 U2.37 | length 27.7
  Top Layer w0.254: v1(2.794,-21.336) 5.207,-23.749 18.319,-23.749 23.385,-18.683 SW1.2
  Bottom Layer w0.254: U2.37 2.752,-19.502 2.752,-21.294 v1(2.794,-21.336)
SWDIO: SW1.3 U2.34 | length 24.4
  Top Layer w0.254: v1(5.296,-18.034) 5.296,-18.743 9.921,-23.368 18.161,-23.368 21.971,-19.558 SW1.3
  Bottom Layer w0.254: U2.34 5.012,-17.75 v1(5.296,-18.034)
USB_DM: C1.A7 C1.B7 U2.32 | length 11.8
  Bottom Layer w0.254: U2.32 5.289,-16.75 cw(c5.289,-19.29) 7.085,-17.494 C1.B7 10.306,-20.748 11.119,-21.56 11.119,-21.875 10.759,-22.235 10.444,-22.235 9.631,-21.422 C1.A7
USB_DP: C1.A6 C1.B5 U2.33 | length 12.6
  Bottom Layer w0.254: U2.33 5.082,-17.25 cw(c5.082,-19.79) 6.878,-17.994 7.112,-18.228 ; C1.B5 8.11,-22.055 cw(c9.906,-20.259) 7.366,-20.259 7.366,-18.842 ccw(c6.499,-18.842) 7.113,-18.229 C1.A6
VBUS: C1.A4 C1.A9 C1.B4 C1.B9 D3.A | length 12.9
  Top Layer w0.245: v1(12.485,-20.564) 12.553,-20.632 12.553,-21.392 13.36,-22.2 D3.A
  Bottom Layer w0.6: C1.B4@8.185,-23.044 8.963,-23.822 10.68,-23.822 12.485,-22.017 v1(12.485,-20.564) 12.382,-20.564 10.595,-18.777
pads on no net: C1. C1.A5 C1.A8 C1.B6 C1.B8 D20.1 J1. K1. M14.1 M15.1 M16.1 M17.1 M18.1 M19.1 MOTOR1.0 MOTOR2.0 S1. U1.2 U1.3 U1.4 U1.5 U1.6 U1.7 U1.14 U1.15 U1.16 U1.17 U1.19 U1.21 U1.22 U1.25 U2.15 U2.38 U2.40 U2.49 U3.2 U3.3 U3.5 U7.3 U7.4 U7.20 U7.21 U8. U8.7 U8.13 U9.3 U9.4 U9.5 U9.6 U9.18 U9.19 U9.20 U9.21
copper on no net:
  other v2: -2.2,-18.2 -1.1,-18.2 0,-18.2 1.1,-18.2 2.2,-18.2 -2.2,-17.1 -1.1,-17.1 0,-17.1 1.1,-17.1 2.2,-17.1 -2.2,-16 -1.1,-16 0,-16 1.1,-16 2.2,-16 -2.2,-14.9 -1.1,-14.9 0,-14.9 1.1,-14.9 2.2,-14.9 -2.2,-13.8 -1.1,-13.8 0,-13.8 1.1,-13.8 2.2,-13.8

## Polygon pours and split planes (outlines as drawn)
GND on Bottom Layer "NONET_L-01_P-001" (solid, remove dead copper, pour order 54): 68.402,25.324 68.504,27.915 67.081,28.067 -68.097,28.194 -68.809,25.654 -0.813,-42.215 1.143,-41.859
+3.3 on Bottom Layer "NONET_L-01_P-001" (solid, remove dead copper, pour order 52): 27.089,12.395 22.403,12.395 22.073,12.065 22.073,8.941 22.53,8.484 22.682,8.484 27.229,8.484 27.889,9.246 27.851,11.836
+5 on Bottom Layer "NONET_L-01_P-001" (solid, remove dead copper, pour order 50): 22.073,12.319 18.263,12.319 17.45,13.132 17.45,17.729 18.364,18.644 21.565,18.644 22.403,17.805 22.403,12.7
+5 on Bottom Layer "NONET_L-01_P-001" (solid, remove dead copper, pour order 48): 44.427,7.719 39.349,2.642 34.265,2.642 28.804,8.103 28.804,10.871 30.15,12.217 30.302,12.217 39.929,12.217 41.707,10.439
+12 on Bottom Layer "NONET_L-01_P-001" (solid, remove dead copper, pour order 40): -47.567,9.259 -46.986,9.259 -45.822,10.423 -45.822,10.998 -46.863,12.04 -47.366,12.04 -48.534,10.872 -48.534,10.226
+12 on Bottom Layer "NONET_L-01_P-001" (solid, remove dead copper, pour order 38): -42.743,23.622 -43.155,23.211 -43.155,21.565 -42.748,21.158 -41.275,21.158 -40.919,21.514 -40.919,23.165 -41.377,23.622
+3.3 on Bottom Layer "NONET_L-01_P-001" (solid, remove dead copper, pour order 18): 1.067,17.399 2.616,17.399 3.734,16.281 3.734,9.246 3.099,8.611 -3.759,8.611 -4.191,9.042 -4.191,12.141
+5 on Bottom Layer "NONET_L-01_P-001" (solid, remove dead copper, pour order 16): -1.981,17.272
no net on Bottom Layer "NONET_L-01_P-001" (solid, remove dead copper, pour order 0): 43.282,16.967
GND on Top Layer "NONET_L-01_P-001" (solid, remove dead copper, pour order 46): -65.659,27.965 -65.761,28.067 -70.46,28.067 -70.46,27.508 -1.422,-41.529 1.372,-41.529 68.91,26.01 68.174,26.746 68.174,27.838 67.767,27.838 67.488,28.118
+3.3 on GND "NONET_L-01_P-001" (solid, remove dead copper, pour order 56): 68.58,25.603 67.818,26.365 67.818,28.575 -67.259,28.575 -68.504,27.33 -68.453,27.28 -68.453,24.689 -67.818,24.689 0,-43.129
+5 on POWER "NONET_L-01_P-001" (solid, remove dead copper, pour order 42): 66.675,23.774 68.224,25.324 68.224,26.899 66.954,28.169 66.827,28.042 -69.748,28.042 -69.748,27.028 -1.369,-41.351 1.422,-41.351 1.981,-40.792
+12 on POWER "NONET_L-01_P-001" (solid, remove dead copper, pour order 36): 43.04,16.777 42.291,16.027 -37.617,16.027 -45.415,8.23 -46.812,8.23 -48.387,9.804 -48.387,22.174 -45.872,24.689 -36.22,24.689 -32.588,21.057 42.012,21.057 42.967,20.101

## Keep-outs
Keep-Out Layer:
  circle w0: c0,0 r5.7
  lines w0: -2.54,-40.18 ccw(c0,-37.183) 2.54,-40.18 67.513,24.793 ; -2.54,-40.18 -2.54,-40.18 ; -2.54,-40.18 -67.513,24.793 cw(c-66.18,26.114) -66.167,27.991 66.167,27.991 cw(c66.18,26.114) 67.513,24.793 ; 67.513,24.793 67.513,24.793

## Other copper
POWER:
  pour cut-out: 40.716,16.967

## Silkscreen, mask and mechanical layers (free items; w line width, h text height)
Top Overlay:
  drawing of 1092 lines, arcs and shapes, not listed
  text "V4.0" at -20.016,-19.023 h3 r315
Bottom Overlay:
  lines w0: -29.997,27.989 30.003,27.989
  lines w0.127: -15.05,0.028 -15.021,0

## Text inside footprints (layer, text, board x,y; h text height)
U8: Top Overlay "0.96 OLED 128x64" at -3.454,11.913 h1